# Altium PCB Copy of 211105 PCB.PcbDoc (part 1 of 3)
Units mm, origin at the board's own origin, x right, y up, seen from the top; angles counter-clockwise.
Board outline 140 x 119 mm, 4 copper layers (Top Layer, Int1 (GND), Int2 (PWR), Bottom Layer), stack 1.369 mm thick; 309 components, 158 nets, 868 pads, 882 vias.
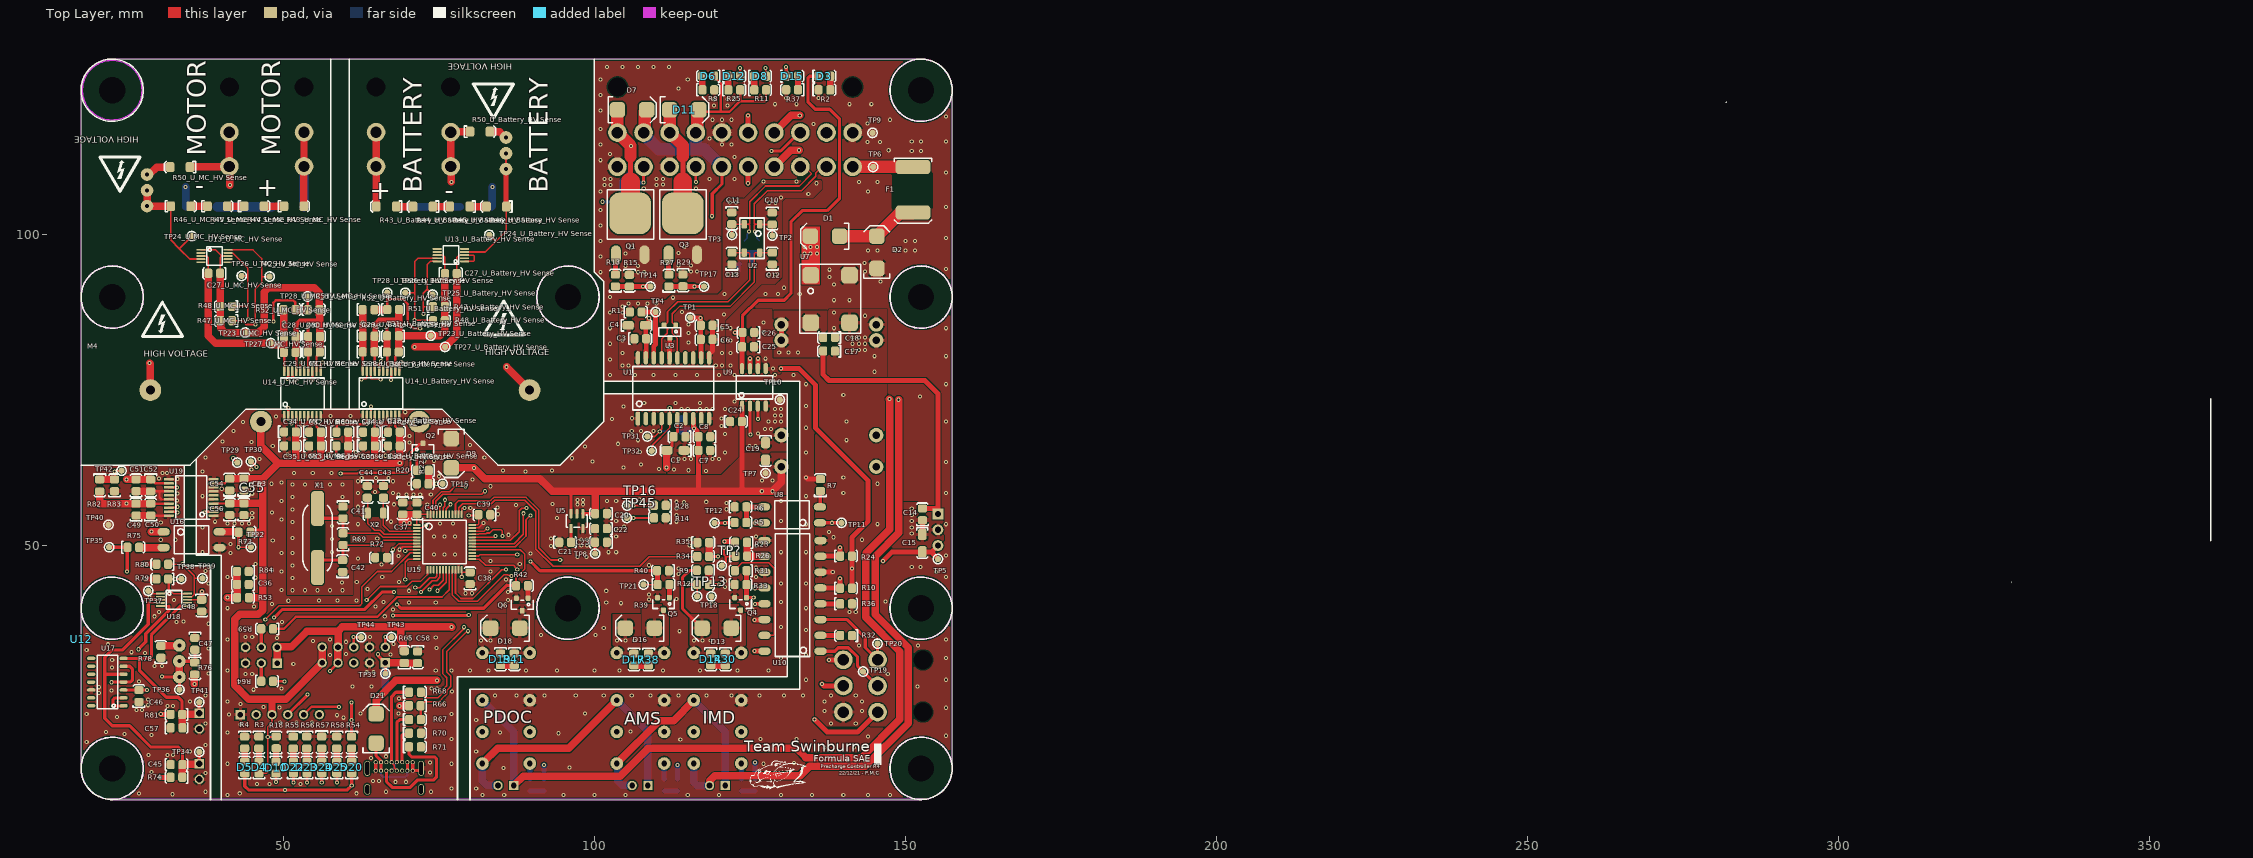
[diagram p0: Top Layer view]
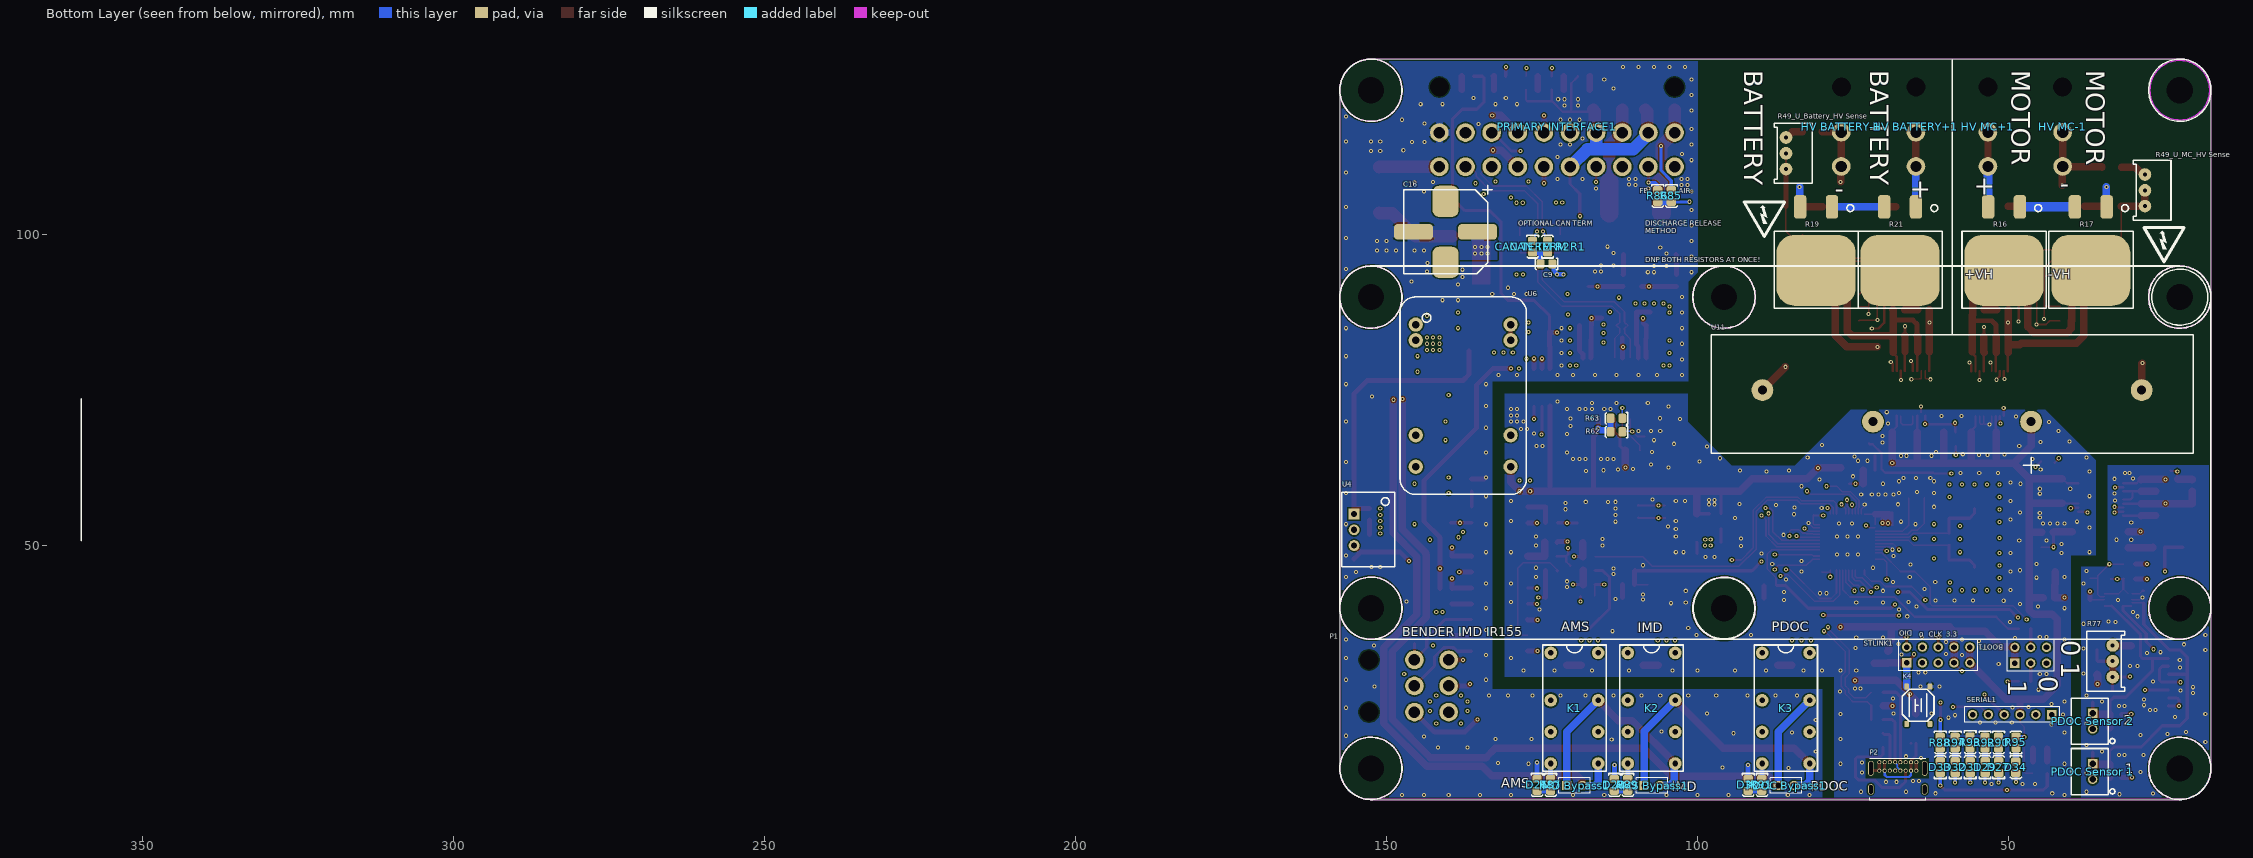
[diagram p1: Bottom Layer view, seen from below]
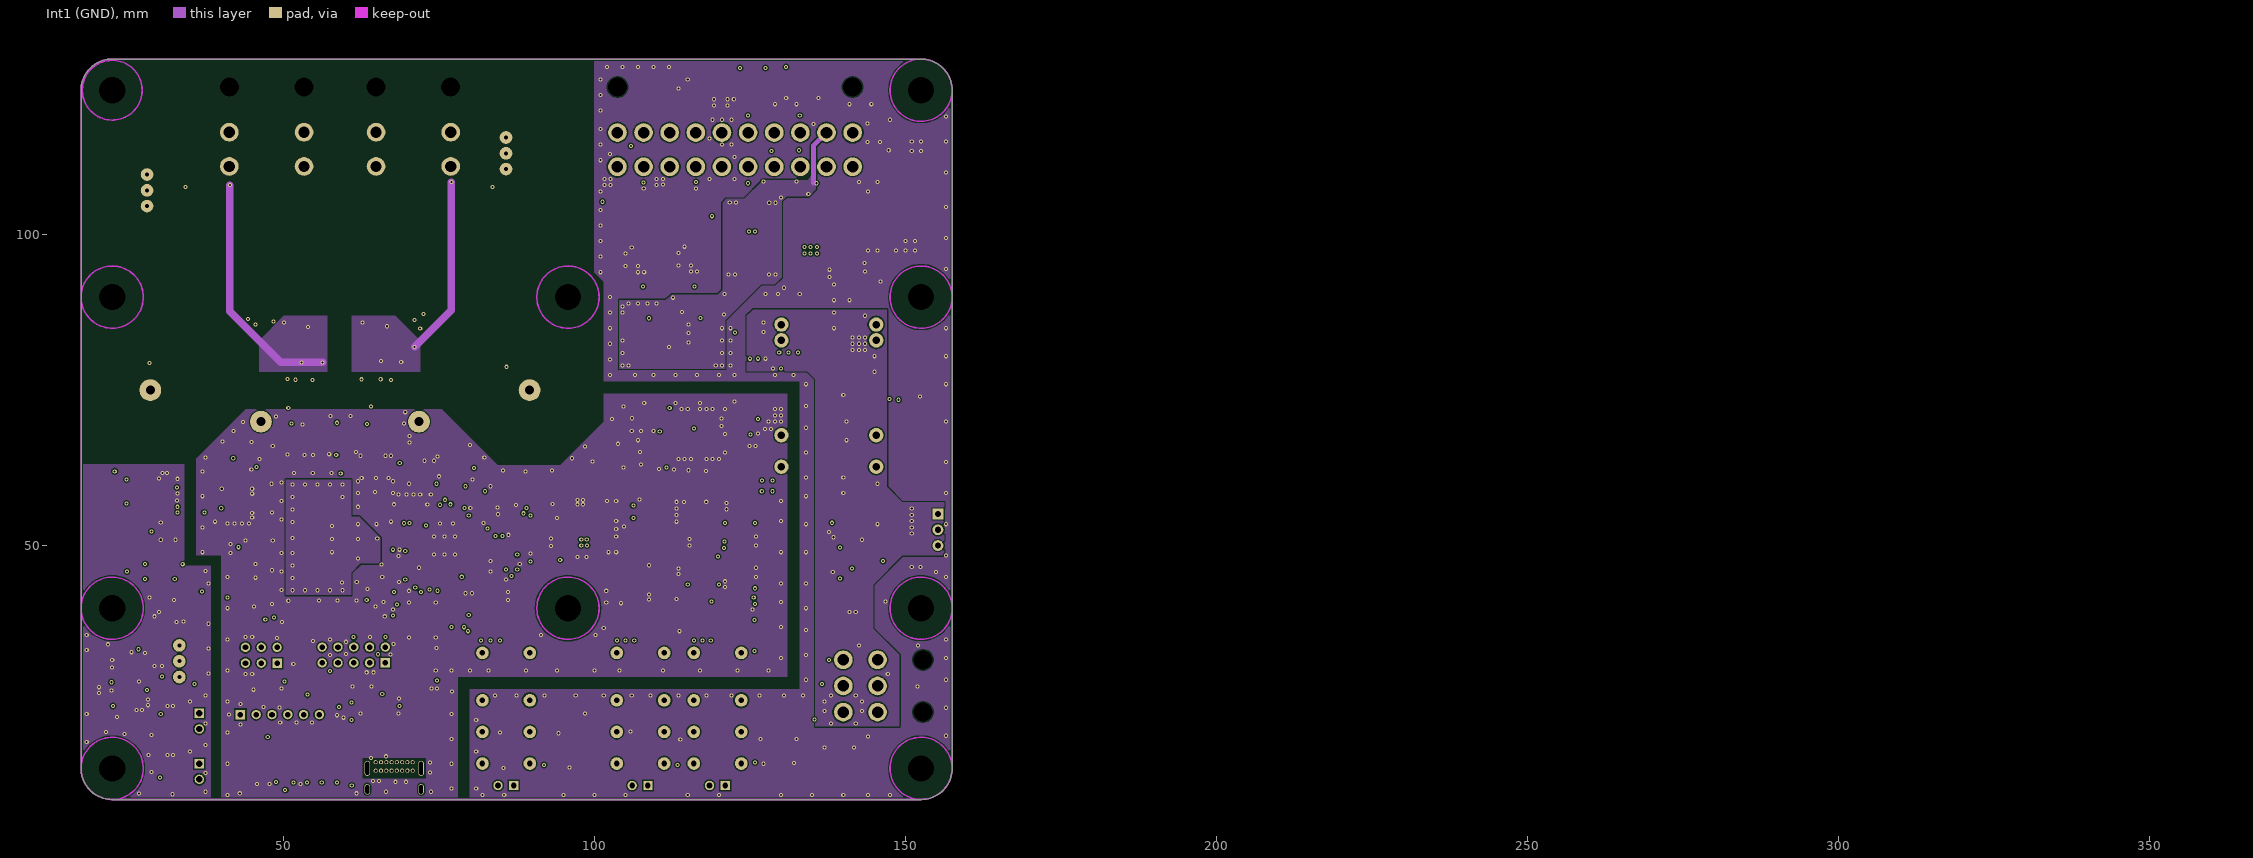
[diagram p2: Int1 (GND)]
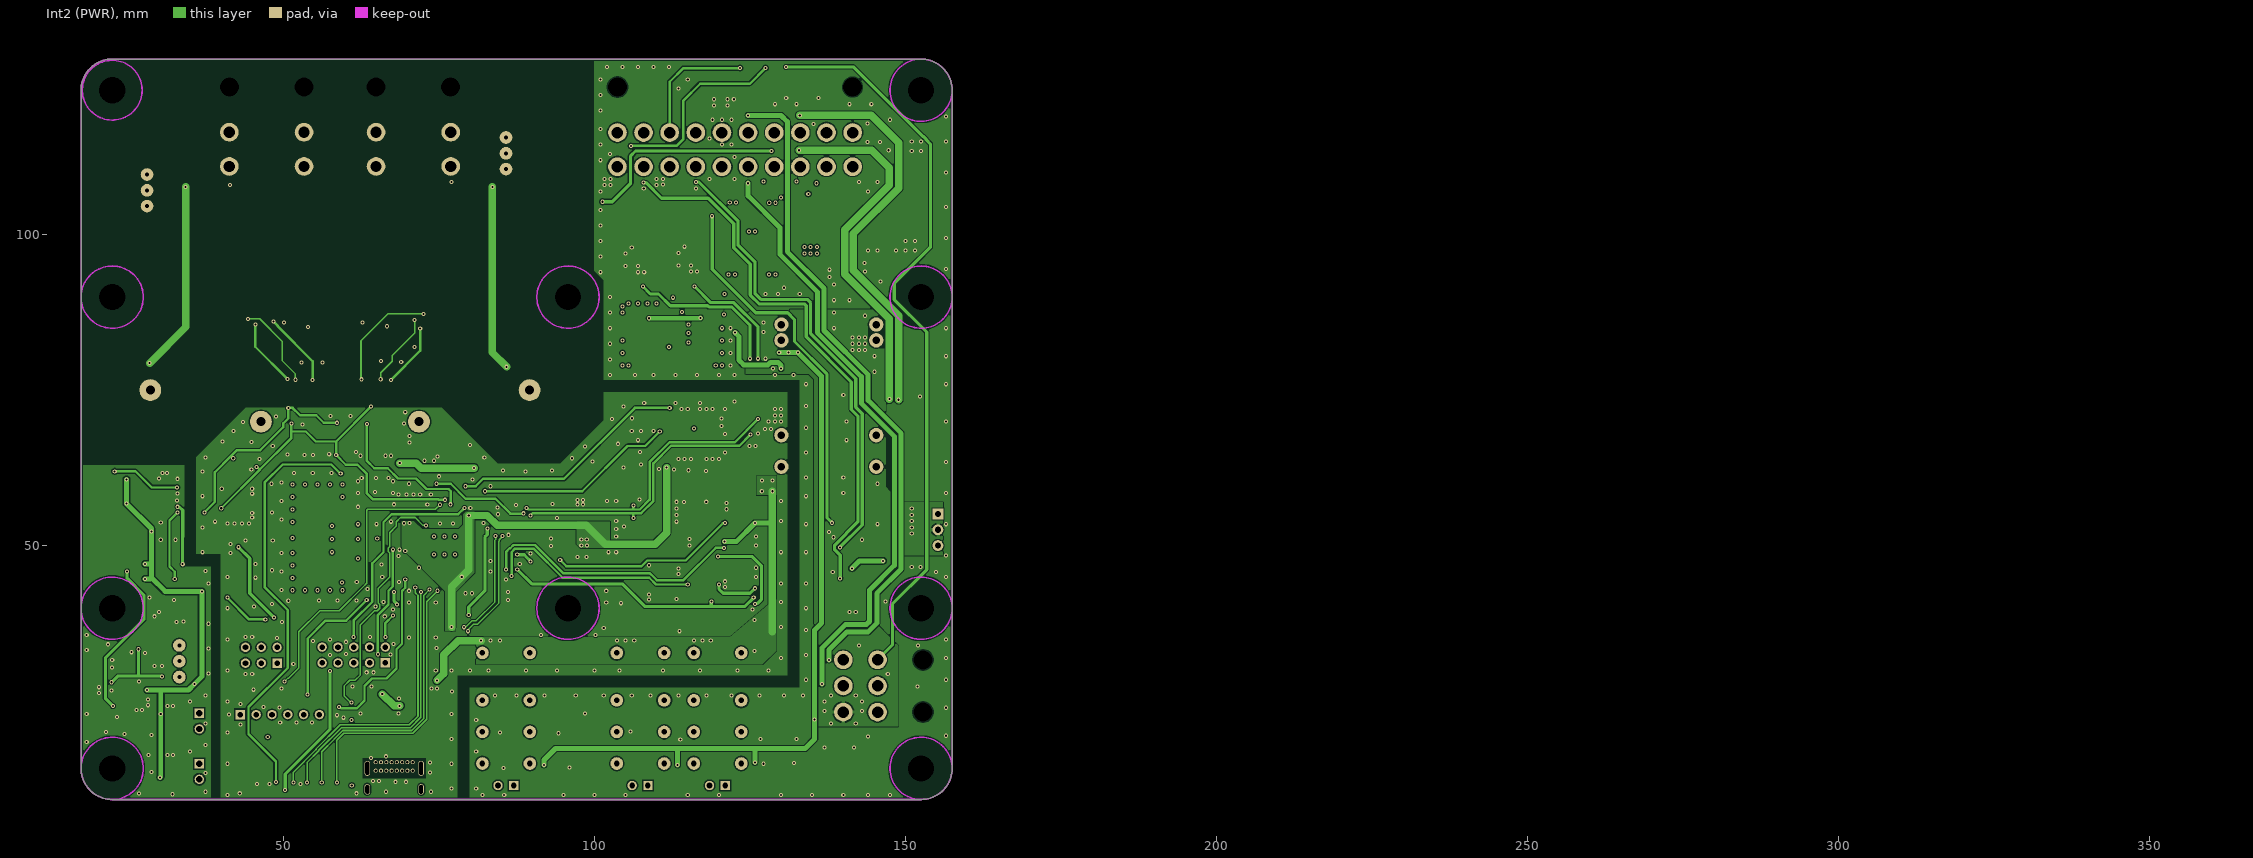
[diagram p3: Int2 (PWR)]

## Layer stack, top to bottom
Top Solder: solder mask 0.0254, SM-001, Dk 4
Top Layer: signal copper 0.035
Dielectric 1: prepreg 0.1295, PP-017, Dk 4.3
Dielectric 2: prepreg 0.1295, PP-017, Dk 4.3
Int1 (GND): signal copper 0.035
Dielectric 3: core 0.7112, Core-039, Dk 4.8
Int2 (PWR): signal copper 0.035
Dielectric 4: prepreg 0.1295, PP-017, Dk 4.3
Dielectric 5: prepreg 0.1295, PP-017, Dk 4.3
Bottom Layer: signal copper 0.035
Bottom Solder: solder mask 0.0254, SM-001, Dk 4

## Board outline
17.5,14.25 ccw(c22.5,14.25) 22.5,9.25 152.5,9.25 ccw(c152.5,14.25) 157.5,14.25 157.5,123.25 ccw(c152.5,123.25) 152.5,128.25 22.5,128.25 ccw(c22.5,123.25) 17.5,123.25

## Design rules (kind name [scope] priority, off if disabled: settings)
Clearance "HV - Microclearance" [InNetClass('HV') vs InNetClass('MICROCONTROLLER')] p1: gap=4 ignorepadtopadclearanceinfootprint=TRUE
Clearance "HV - Vehicle" [InNetClass('HV') vs InNetClass('VEHICLE')] p2: gap=4 ignorepadtopadclearanceinfootprint=TRUE
Clearance "HV - PDOC" [InNetClass('HV') vs InNetClass('PDOC (ISO)')] p3: gap=4 ignorepadtopadclearanceinfootprint=TRUE
Clearance [All] p4: gap=0.254 ignorepadtopadclearanceinfootprint=FALSE except(0: Arc-Hole Track-Hole SMDPad-Hole THPad-Hole Via-Hole Fill-Hole Poly-Hole Region-Hole Text-Hole; 0.1: THPad-THPad; 0.152: Arc-SMDPad Track-SMDPad SMDPad-SMDPad; 0.2: Arc-THPad Track-THPad SMDPad-THPad THPad-Via; 0.203: Arc-Arc Arc-Track Arc-Poly Arc-Region Track-Track Track-Poly Track-Region SMDPad-Poly SMDPad-Region THPad-Poly THPad-Region Via-Poly Via-Region Fill-Poly Fill-Region Poly-Poly Poly-Region Region-Region)
DiffPairsRouting USB_DIFF_PAIR [InDifferentialPair('USB')] p1: maxlimit=0.508 minlimit=0.3 mostfreqgap=0.381 toplayer_minwidth=0.2 toplayer_maxwidth=0.381 toplayer_prefwidth=0.254 midlayer1_minwidth=0.2 midlayer1_maxwidth=0.381 midlayer1_prefwidth=0.254 midlayer2_minwidth=0.2 midlayer2_maxwidth=0.381 midlayer2_prefwidth=0.254 bottomlayer_minwidth=0.2 bottomlayer_maxwidth=0.381 bottomlayer_prefwidth=0.254 maxuncoupledlength=12.7
DiffPairsRouting CAN_DIFF_PAIR [InDifferentialPairClass('CAN_IN')] p2: maxlimit=0.6 minlimit=0.5 mostfreqgap=0.508 toplayer_minwidth=0.2 toplayer_maxwidth=0.25 toplayer_prefwidth=0.203 midlayer1_minwidth=0.2 midlayer1_maxwidth=0.25 midlayer1_prefwidth=0.203 midlayer2_minwidth=0.2 midlayer2_maxwidth=0.25 midlayer2_prefwidth=0.203 bottomlayer_minwidth=0.2 bottomlayer_maxwidth=0.25 bottomlayer_prefwidth=0.203 maxuncoupledlength=12.7
DiffPairsRouting [All] p3: maxlimit=0.254 minlimit=0.254 mostfreqgap=0.254 toplayer_minwidth=0.381 toplayer_maxwidth=0.381 toplayer_prefwidth=0.381 midlayer1_minwidth=0.381 midlayer1_maxwidth=0.381 midlayer1_prefwidth=0.381 midlayer2_minwidth=0.381 midlayer2_maxwidth=0.381 midlayer2_prefwidth=0.381 bottomlayer_minwidth=0.381 bottomlayer_maxwidth=0.381 bottomlayer_prefwidth=0.381 maxuncoupledlength=12.7
Height [All] p1: minheight=0 maxheight=50 prefheight=12.7
HoleSize [All] p1: absolutevalues=TRUE maxlimit=10 minlimit=0.025 maxpercent=80.000 minpercent=20.000
MatchedLengths DiffPair_MatchedLengths [InDifferentialPairClass('CAN_IN')] p1: tolerance=25.4 checknetsindiffpair=FALSE checkdiffpairvsdiffpair=TRUE checkxsignals=TRUE checkothers=TRUE
MinimumSolderMaskSliver [All] p1: minsoldermaskwidth=0.051
PlaneClearance [All] p1: clearance=0.4
PlaneConnect [All] p1: pad.planeconnectstyle=Relief pad.reliefexpansion=0.508 pad.reliefentries=4 pad.reliefconductorwidth=0.8 pad.reliefairgap=0.254 via.planeconnectstyle=Direct via.reliefexpansion=0.508 via.reliefentries=4 via.reliefconductorwidth=0.8 via.reliefairgap=0.254
PolygonConnect PCH_OC_PowerConnect [InNet('PCH_OC')] p1: thpad.connectstyle=Relief thpad.reliefconductorwidth=1.2 thpad.reliefentries=4 thpad.polygonreliefangle="90 Angle" thpad.airgapwidth=0.254 smdpad.connectstyle=Relief smdpad.reliefconductorwidth=2 smdpad.reliefentries=4 smdpad.polygonreliefangle="90 Angle" smdpad.airgapwidth=0.254 via.connectstyle=Direct via.reliefconductorwidth=0.8 via.reliefentries=4 via.polygonreliefangle="90 Angle" via.airgapwidth=0.254
PolygonConnect PolygonConnect_1 [HasFootprint('0805')] p2: thpad.connectstyle=Relief thpad.reliefconductorwidth=0.6 thpad.reliefentries=4 thpad.polygonreliefangle="90 Angle" thpad.airgapwidth=0.254 smdpad.connectstyle=Relief smdpad.reliefconductorwidth=0.6 smdpad.reliefentries=4 smdpad.polygonreliefangle="90 Angle" smdpad.airgapwidth=0.254 via.connectstyle=Direct via.reliefconductorwidth=0.6 via.reliefentries=4 via.polygonreliefangle="90 Angle" via.airgapwidth=0.254
PolygonConnect TestPointConnect [HasFootprint('SMD Test Point 1mm')] p3: connectstyle=Direct reliefconductorwidth=0.6 reliefentries=4 polygonreliefangle="90 Angle" airgapwidth=0.254
PolygonConnect "GLV+ PowerConnect" [(InNet('GLV+') OR InNet('GLV-') OR InNet('12V/24V') OR InNet('12V/24V (Filtered)')) AND NOT ( HasFootprint('0805 LED') OR HasFootprint('0805')  )] p4: thpad.connectstyle=Relief thpad.reliefconductorwidth=1.2 thpad.reliefentries=4 thpad.polygonreliefangle="90 Angle" thpad.airgapwidth=0.254 smdpad.connectstyle=Relief smdpad.reliefconductorwidth=2 smdpad.reliefentries=4 smdpad.polygonreliefangle="90 Angle" smdpad.airgapwidth=0.254 via.connectstyle=Direct via.reliefconductorwidth=0.8 via.reliefentries=4 via.polygonreliefangle="90 Angle" via.airgapwidth=0.254
PolygonConnect [All] p5: thpad.connectstyle=Relief thpad.reliefconductorwidth=0.6 thpad.reliefentries=4 thpad.polygonreliefangle="90 Angle" thpad.airgapwidth=0.254 smdpad.connectstyle=Relief smdpad.reliefconductorwidth=0.6 smdpad.reliefentries=4 smdpad.polygonreliefangle="90 Angle" smdpad.airgapwidth=0.254 via.connectstyle=Direct via.reliefconductorwidth=0.6 via.reliefentries=4 via.polygonreliefangle="90 Angle" via.airgapwidth=0.254
RoutingVias [All] p1: holewidth=0.711 width=1.27 viastyle="Through Hole" minholewidth=0.203 minwidth=0.254 maxholewidth=0.711 maxwidth=1.27
SilkToSilkClearance [All] p1: silktosilkclearance=0.051
SilkToSolderMaskClearance [IsPad] p1: minsilkscreentomaskgap=0.051 clearancetoexposedcopper=TRUE
SolderMaskExpansion [All] p1: expansion=0.051 istentingtop=FALSE
Width [All] p1: maxlimit=3 minlimit=0.127 preferedwidth=0.5
22 further rules are at their usual default settings.

## Classes and differential pairs
differential pair class USB_DIFF_PAIR: USB
net class VEHICLE: 0V 5V "5V (CAN)" 12V/24V "12V/24V (Filtered)" "AIR Power" AIR+ "AIR+ Feedback Out" AIR- "AIR- Feedback Out" CAN_CMF_N CAN_CMF_P CAN_N CAN_P CANS GLV+ GLV- "Green In" "Green Out" "IMD Data" "IMD OK" "NetAMS Bypass1_1" "NetAMS Bypass1_2" NetC9_2 NetD1_A NetD3_K NetD6_K NetD8_A NetD12_A NetD15_K NetD26_K NetD28_K NetD30_K NetK1_4 NetK1_6 NetK1_8 NetK1_11 NetK2_4 NetK2_6 NetK2_8 NetK2_11 NetK3_4 NetK3_6 NetK3_8 NetK3_11 NetQ1_G NetQ3_G NetR1_2 NetR7_1 NetR13_1 NetR27_1 NetR32_2 NetR36_1 NetU1_14
net class MICROCONTROLLER: "0V (Crystal 16MHZ)" "0V (ISO)" "3.3V (ISO)" 3V3_BP "5V (ISO)" _BOOT0 _BOOT1 "AIR+ (ISO)" "AIR+ Feedback (ISO)" "AIR- (ISO)" "AIR- Feedback (ISO)" "AMS OK (ISO)" AMS_OC BOOT0 BOOT1 "CAN RX" "CAN RX INDC" "CAN TX" "CAN TX INDC" "IMD Data (ISO)" "IMD OK (ISO)" IMD_OC LED2 LED3 NetD4_K NetD5_K NetD10_A NetD14_K NetD17_K NetD19_K NetD20_K NetD21_A NetD22_K NetD23_K NetD24_K NetD25_K NetD27_K NetD29_K NetD31_K NetD32_K NetD33_K NetD34_A NetK4_1 NetK4_3 NetP2_A5 NetP2_A6 NetP2_A7 NetP2_A8 NetP2_B5 NetP2_B8 NetQ2_G NetQ5_G NetQ6_G NetR5_1 NetR5_2 NetR9_1 NetR23_1 NetR31_2 NetR34_2 NetSERIAL1_2 NetSERIAL1_6 NetSTLINK1_5 NetU1_2 NetU15_11 NetU15_14 NetU15_15 NetU15_27 NetU15_40 NetU15_41 nRST PC13 "PCB TEMP" PCH_OC "PDOC OK (ISO)" PDOC_OC "Precharge Relay (ISO)" SCL SDA SWCLK SWDIO UARTRX UARTTX USB_N USB_P XTALA XTALB XTALC XTALD
net class HV: "HV Battery+" "HV Battery-" "HV MC+" "HV MC-" "Measure_U_Battery_HV Sense" "Measure_U_MC_HV Sense" NetR16_1 NetR17_1 NetR19_1 NetR19_2 "NetR43_U_Battery_HV Sense_1" "NetR43_U_MC_HV Sense_1" "NetR44_U_Battery_HV Sense_1" "NetR44_U_MC_HV Sense_1" "NetR45_U_Battery_HV Sense_1" "NetR45_U_MC_HV Sense_1" "NetR49_U_Battery_HV Sense_1" "NetR49_U_MC_HV Sense_1" "NetU13_U_Battery_HV Sense_2" "NetU13_U_Battery_HV Sense_5" "NetU13_U_Battery_HV Sense_6" "NetU13_U_Battery_HV Sense_7" "NetU13_U_MC_HV Sense_2" "NetU13_U_MC_HV Sense_5" "NetU13_U_MC_HV Sense_6" "NetU13_U_MC_HV Sense_7" "SCL_U_Battery_HV Sense" "SCL_U_MC_HV Sense" "SDA_U_Battery_HV Sense" "SDA_U_MC_HV Sense" "VDDISO_U_Battery_HV Sense" "VDDISO_U_MC_HV Sense" "VSEL_U_Battery_HV Sense" "VSEL_U_MC_HV Sense"
differential pair class CAN_IN: CAN CAN_CMF
net class "PDOC (ISO)": GNDISO NetR75_2 NetR77_3 NetU17_2 NetU17_6 NetU17_7 "PDOC OK" "PDOC Temperature Amp Measure 1" "PDOC Temperature Amp Measure 2" "PDOC Temperature Ref" SCL SDA VDDISO VSEL
channel class "HV Sense": "U_Battery_HV Sense" "U_MC_HV Sense"
component class "U_Battery_HV Sense": "C27_U_Battery_HV Sense" "C28_U_Battery_HV Sense" "C29_U_Battery_HV Sense" "C30_U_Battery_HV Sense" "C31_U_Battery_HV Sense" "C32_U_Battery_HV Sense" "C33_U_Battery_HV Sense" "C34_U_Battery_HV Sense" "C35_U_Battery_HV Sense" "R43_U_Battery_HV Sense" "R44_U_Battery_HV Sense" "R45_U_Battery_HV Sense" "R46_U_Battery_HV Sense" "R47_U_Battery_HV Sense" "R48_U_Battery_HV Sense" "R49_U_Battery_HV Sense" "R50_U_Battery_HV Sense" "R51_U_Battery_HV Sense" "R52_U_Battery_HV Sense" "TP23_U_Battery_HV Sense" "TP24_U_Battery_HV Sense" "TP25_U_Battery_HV Sense" "TP26_U_Battery_HV Sense" "TP27_U_Battery_HV Sense" "TP28_U_Battery_HV Sense" "U13_U_Battery_HV Sense" "U14_U_Battery_HV Sense"
component class "U_MC_HV Sense": "C27_U_MC_HV Sense" "C28_U_MC_HV Sense" "C29_U_MC_HV Sense" "C30_U_MC_HV Sense" "C31_U_MC_HV Sense" "C32_U_MC_HV Sense" "C33_U_MC_HV Sense" "C34_U_MC_HV Sense" "C35_U_MC_HV Sense" "R43_U_MC_HV Sense" "R44_U_MC_HV Sense" "R45_U_MC_HV Sense" "R46_U_MC_HV Sense" "R47_U_MC_HV Sense" "R48_U_MC_HV Sense" "R49_U_MC_HV Sense" "R50_U_MC_HV Sense" "R51_U_MC_HV Sense" "R52_U_MC_HV Sense" "TP23_U_MC_HV Sense" "TP24_U_MC_HV Sense" "TP25_U_MC_HV Sense" "TP26_U_MC_HV Sense" "TP27_U_MC_HV Sense" "TP28_U_MC_HV Sense" "U13_U_MC_HV Sense" "U14_U_MC_HV Sense"
component class U_PDOC: C45 C46 C47 C48 C49 C50 C51 C52 C53 C54 C55 C56 C57 FTDI1 "PDOC Sensor 1" "PDOC Sensor 2" R73 R74 R75 R76 R77 R78 R79 R80 R81 R82 R83 RESET1 TP34 TP35 TP36 TP37 TP38 TP39 TP40 TP41 TP42 U16 U17 U18 U19
component class U_Microcontroller: BOOT1 C36 C37 C38 C39 C40 C41 C42 C43 C44 C58 "CAN RX INDC1" "CAN TX INDC1" D20 D21 D22 D23 D24 D25 D27 D29 D31 D32 D33 K4 P2 R53 R54 R55 R56 R57 R58 R59 R60 R61 R62 R63 R64 R65 R66 R67 R68 R69 R70 R71 R72 R84 R88 R90 R92 R93 R94 SERIAL1 STLINK1 TP29 TP30 TP31 TP32 TP33 TP43 TP44 U15 X1 X2
component class "U_Safety Loops": "AMS Bypass1" D13 D14 D15 D16 D17 D18 D19 D26 D28 D30 "IMD Bypass1" K1 K2 K3 "PDOC Bypass1" Q4 Q5 Q6 R30 R31 R32 R33 R34 R35 R36 R37 R38 R39 R40 R41 R42 R87 R89 R91 TP18 TP19 TP20 TP21 TP22 U10
component class U_Precharge: C24 C25 C26 D6 D7 D8 D9 D10 D11 D12 D34 Q1 Q2 Q3 R5 R6 R7 R8 R9 R10 R11 R12 R13 R14 R15 R16 R17 R18 R19 R20 R21 R22 R23 R24 R25 R26 R27 R28 R29 R95 TP11 TP12 TP13 TP14 TP15 TP16 TP17 TP45 TP? U8 U9 U11
component class "U_Power Supply": C14 C15 C16 C17 C18 C19 C20 C21 C22 C23 D1 D2 D3 D4 D5 F1 R2 R3 R4 TP5 TP6 TP7 TP8 TP9 TP10 U4 U5 U6 U7
component class U_CAN: C1 C2 C3 C4 C5 C6 C7 C8 C9 C10 C11 C12 C13 "CAN TERM R1" "CAN TERM R2" R1 TP1 TP2 TP3 TP4 U1 U2 U3
component class "Top Level": "HV BATTERY+1" "HV BATTERY-1" "HV MC+1" "HV MC-1" "IMD INTERFACE1" P1 "PRIMARY INTERFACE1" R85 R86 U12
differential pair USB: +USB_P -USB_N
differential pair CAN: +CAN_P -CAN_N
differential pair CAN_CMF: +CAN_CMF_P -CAN_CMF_N

## Components (designator, comment, footprint, x,y, rotation, side; value= is the part's Value field where it differs from the comment)
"AMS Bypass1" "2.54mm" "TH 2.54mm Header 1x2" 108.6,11.5 r180 bottom
BOOT1 "2.54mm" "TH 2.54mm Header 2x3" 48.997,31.17 r180 bottom
C1 "10nF" 1206 111.822,65.353 r180 top
C2 "100nF" 0805 113.66,67.527 r180 top
C3 "100nF" 0805 107.372,83.34 r0 top
C4 "10nF" 1206 108.022,85.453 r0 top
C5 "10uF" 0805 118.034,85.429 r180 top
C6 "100nF" 0805 118.034,83.179 r180 top
C7 "10uF" 0805 117.66,65.327 r180 top
C8 "100nF" 0805 117.66,67.527 r180 top
C9 "22pF" 0805 124.3,95.3 r0 bottom
C10 "100pF" 0805 128.597,102.609 r270 top
C11 "100pF" 0805 122.097,102.647 r270 top
C12 "100pF" 0805 128.576,96.209 r90 top
C13 "100pF" 0805 122.076,96.209 r90 top
C14 "10uF" 0805 152.7,55.1 r90 top
C15 "22uF" 1206 152.7,49.26 r270 top
C16 "220uF" "Vishay Radial 1213" 140.5,100.5 r180 bottom
C17 "10uF" 0805 137.7,81.3 r180 top
C18 "10uF" 0805 137.7,83.5 r180 top
C19 "22uF" 1206 127.5,64 r270 top
C20 "1uF" 0805 101.04,55.175 r180 top
C21 "22pF" 0805 95.302,50.601 r0 top
C22 "100nF" 0805 101.028,52.774 r180 top
C23 "1uF" 0805 101.028,50.574 r180 top
C24 "100nF" 0805 122.762,70.026 r0 top
C25 "100nF" 0805 124.688,81.974 r180 top
C26 "10uF" 0805 124.725,84.297 r180 top
"C27_U_Battery_HV Sense" "100nF" 0805 76.94,93.8 r0 top (schematic designator C27)
"C27_U_MC_HV Sense" "100nF" 0805 38.891,93.8 r180 top (schematic designator C27)
"C28_U_Battery_HV Sense" "10nF" 0805 63.713,81.218 r0 top (schematic designator C28)
"C28_U_MC_HV Sense" "10nF" 0805 51.042,83.653 r0 top (schematic designator C28)
"C29_U_Battery_HV Sense" "100nF" 0805 63.713,83.744 r0 top (schematic designator C29)
"C29_U_MC_HV Sense" "100nF" 0805 51.042,81.127 r0 top (schematic designator C29)
"C30_U_Battery_HV Sense" "10uF" 0805 67.613,81.197 r0 top (schematic designator C30)
"C30_U_MC_HV Sense" "10uF" 0805 54.948,83.694 r0 top (schematic designator C30)
"C31_U_Battery_HV Sense" "100nF" 0805 67.613,83.744 r180 top (schematic designator C31)
"C31_U_MC_HV Sense" "100nF" 0805 54.9,81.147 r180 top (schematic designator C31)
"C32_U_Battery_HV Sense" "100nF" 0805 67.775,68.326 r0 top (schematic designator C32)
"C32_U_MC_HV Sense" "100nF" 0805 55.112,68.326 r0 top (schematic designator C32)
"C33_U_Battery_HV Sense" "10uF" 0805 67.775,66.101 r0 top (schematic designator C33)
"C33_U_MC_HV Sense" "10uF" 0805 55.112,66.101 r0 top (schematic designator C33)
"C34_U_Battery_HV Sense" "100nF" 0805 63.775,68.326 r0 top (schematic designator C34)
"C34_U_MC_HV Sense" "100nF" 0805 51.079,68.353 r0 top (schematic designator C34)
"C35_U_Battery_HV Sense" "10nF" 0805 63.775,66.101 r0 top (schematic designator C35)
"C35_U_MC_HV Sense" "10nF" 0805 51.084,66.101 r0 top (schematic designator C35)
C36 "100nF" 0805 43.488,43.788 r180 top
C37 "1µF" 0805 69.225,56.025 r270 top
C38 "100nF" 0805 80,44.825 r90 top
C39 "100nF" 0805 82.3,55 r180 top
C40 "100nF" 0805 71.5,56.025 r270 top
C41 "22pF" 0805 59.605,55.383 r270 top
C42 "22pF" 0805 59.505,46.783 r90 top
C43 "22pF" 0805 66.119,58.688 r270 top
C44 "22pF" 0805 63.519,58.688 r270 top
C45 "100nF" 0805 32.848,14.9 r0 top
C46 "100nF" 0805 26.775,25.9 r90 top
C47 "100nF" 0805 35.808,34.256 r270 top
C48 "100nF" 0805 36.9,40.4 r270 top
C49 "10nF" 0805 26.309,55.862 r90 top
C50 "100nF" 0805 28.674,55.862 r90 top
C51 "10uF" 0805 26.309,59.762 r90 top
C52 "100nF" 0805 28.695,59.714 r270 top
C53 "100nF" 0805 43.649,59.884 r90 top
C54 "10uF" 0805 41.342,59.881 r90 top
C55 "100nF" 0805 43.647,55.91 r90 top
C56 "10nF" 0805 41.368,55.909 r90 top
C57 "100nF" 0805 32.848,20.8 r0 top
C58 "1nF" 0805 71.6,32.1 r270 top
"CAN TERM R1" "56R" 0805 124.141,98.136 r90 bottom
"CAN TERM R2" "56R" 0805 126.499,98.088 r270 bottom
D1 "SD560BTR" "SMB Diode" 139.15,99.8 r180 top
D2 "SM6T39CAY" "ST SMB Diode" 145.4,97.2 r270 top
D3 "Red" "0805 LED" 136.977,125.526 r0 top
D4 "Red" "0805 LED" 46.075,14.412 r90 top
D5 "Red" "0805 LED" 43.781,14.412 r90 top
D6 "Green" "0805 LED" 118.269,125.505 r180 top
D7 "SD560BTR" "SMB Diode" 103.95,120.1 r0 top
D8 "Orange" "0805 LED" 126.647,125.526 r0 top
D9 "SD560BTR" "SMB Diode" 77,67 r270 top
D10 "Orange" "0805 LED" 48.849,14.364 r270 top
D11 "SD560BTR" "SMB Diode" 112.35,120.1 r0 top
D12 "Orange" "0805 LED" 122.483,125.526 r0 top
D13 "SD560BTR" "SMB Diode" 121.75,36.8 r180 top
D14 "Green" "0805 LED" 118.714,31.762 r270 top
D15 "Orange" "0805 LED" 131.812,125.526 r0 top
D16 "SD560BTR" "SMB Diode" 109.4,36.8 r180 top
D17 "Green" "0805 LED" 106.364,31.738 r270 top
D18 "SD560BTR" "SMB Diode" 87.75,36.8 r180 top
D19 "Green" "0805 LED" 84.927,31.78 r270 top
D20 "Red" "0805 LED" 60.974,14.412 r90 top
D21 "SD560BTR" "SMB Diode" 64.9,18.55 r90 top
D22 "Yellow" "0805 LED" 51.597,14.412 r90 top
D23 "Orange" "0805 LED" 53.767,14.412 r90 top
D24 "Blue" "0805 LED" 56.173,14.424 r90 top
D25 "Blue" "0805 LED" 58.582,14.412 r90 top
D26 "Green" "0805 LED" 125.774,11.588 r270 bottom